# Altium PCB IceZUM_Core_HX1K.PcbDoc (part 1 of 2) (continued)
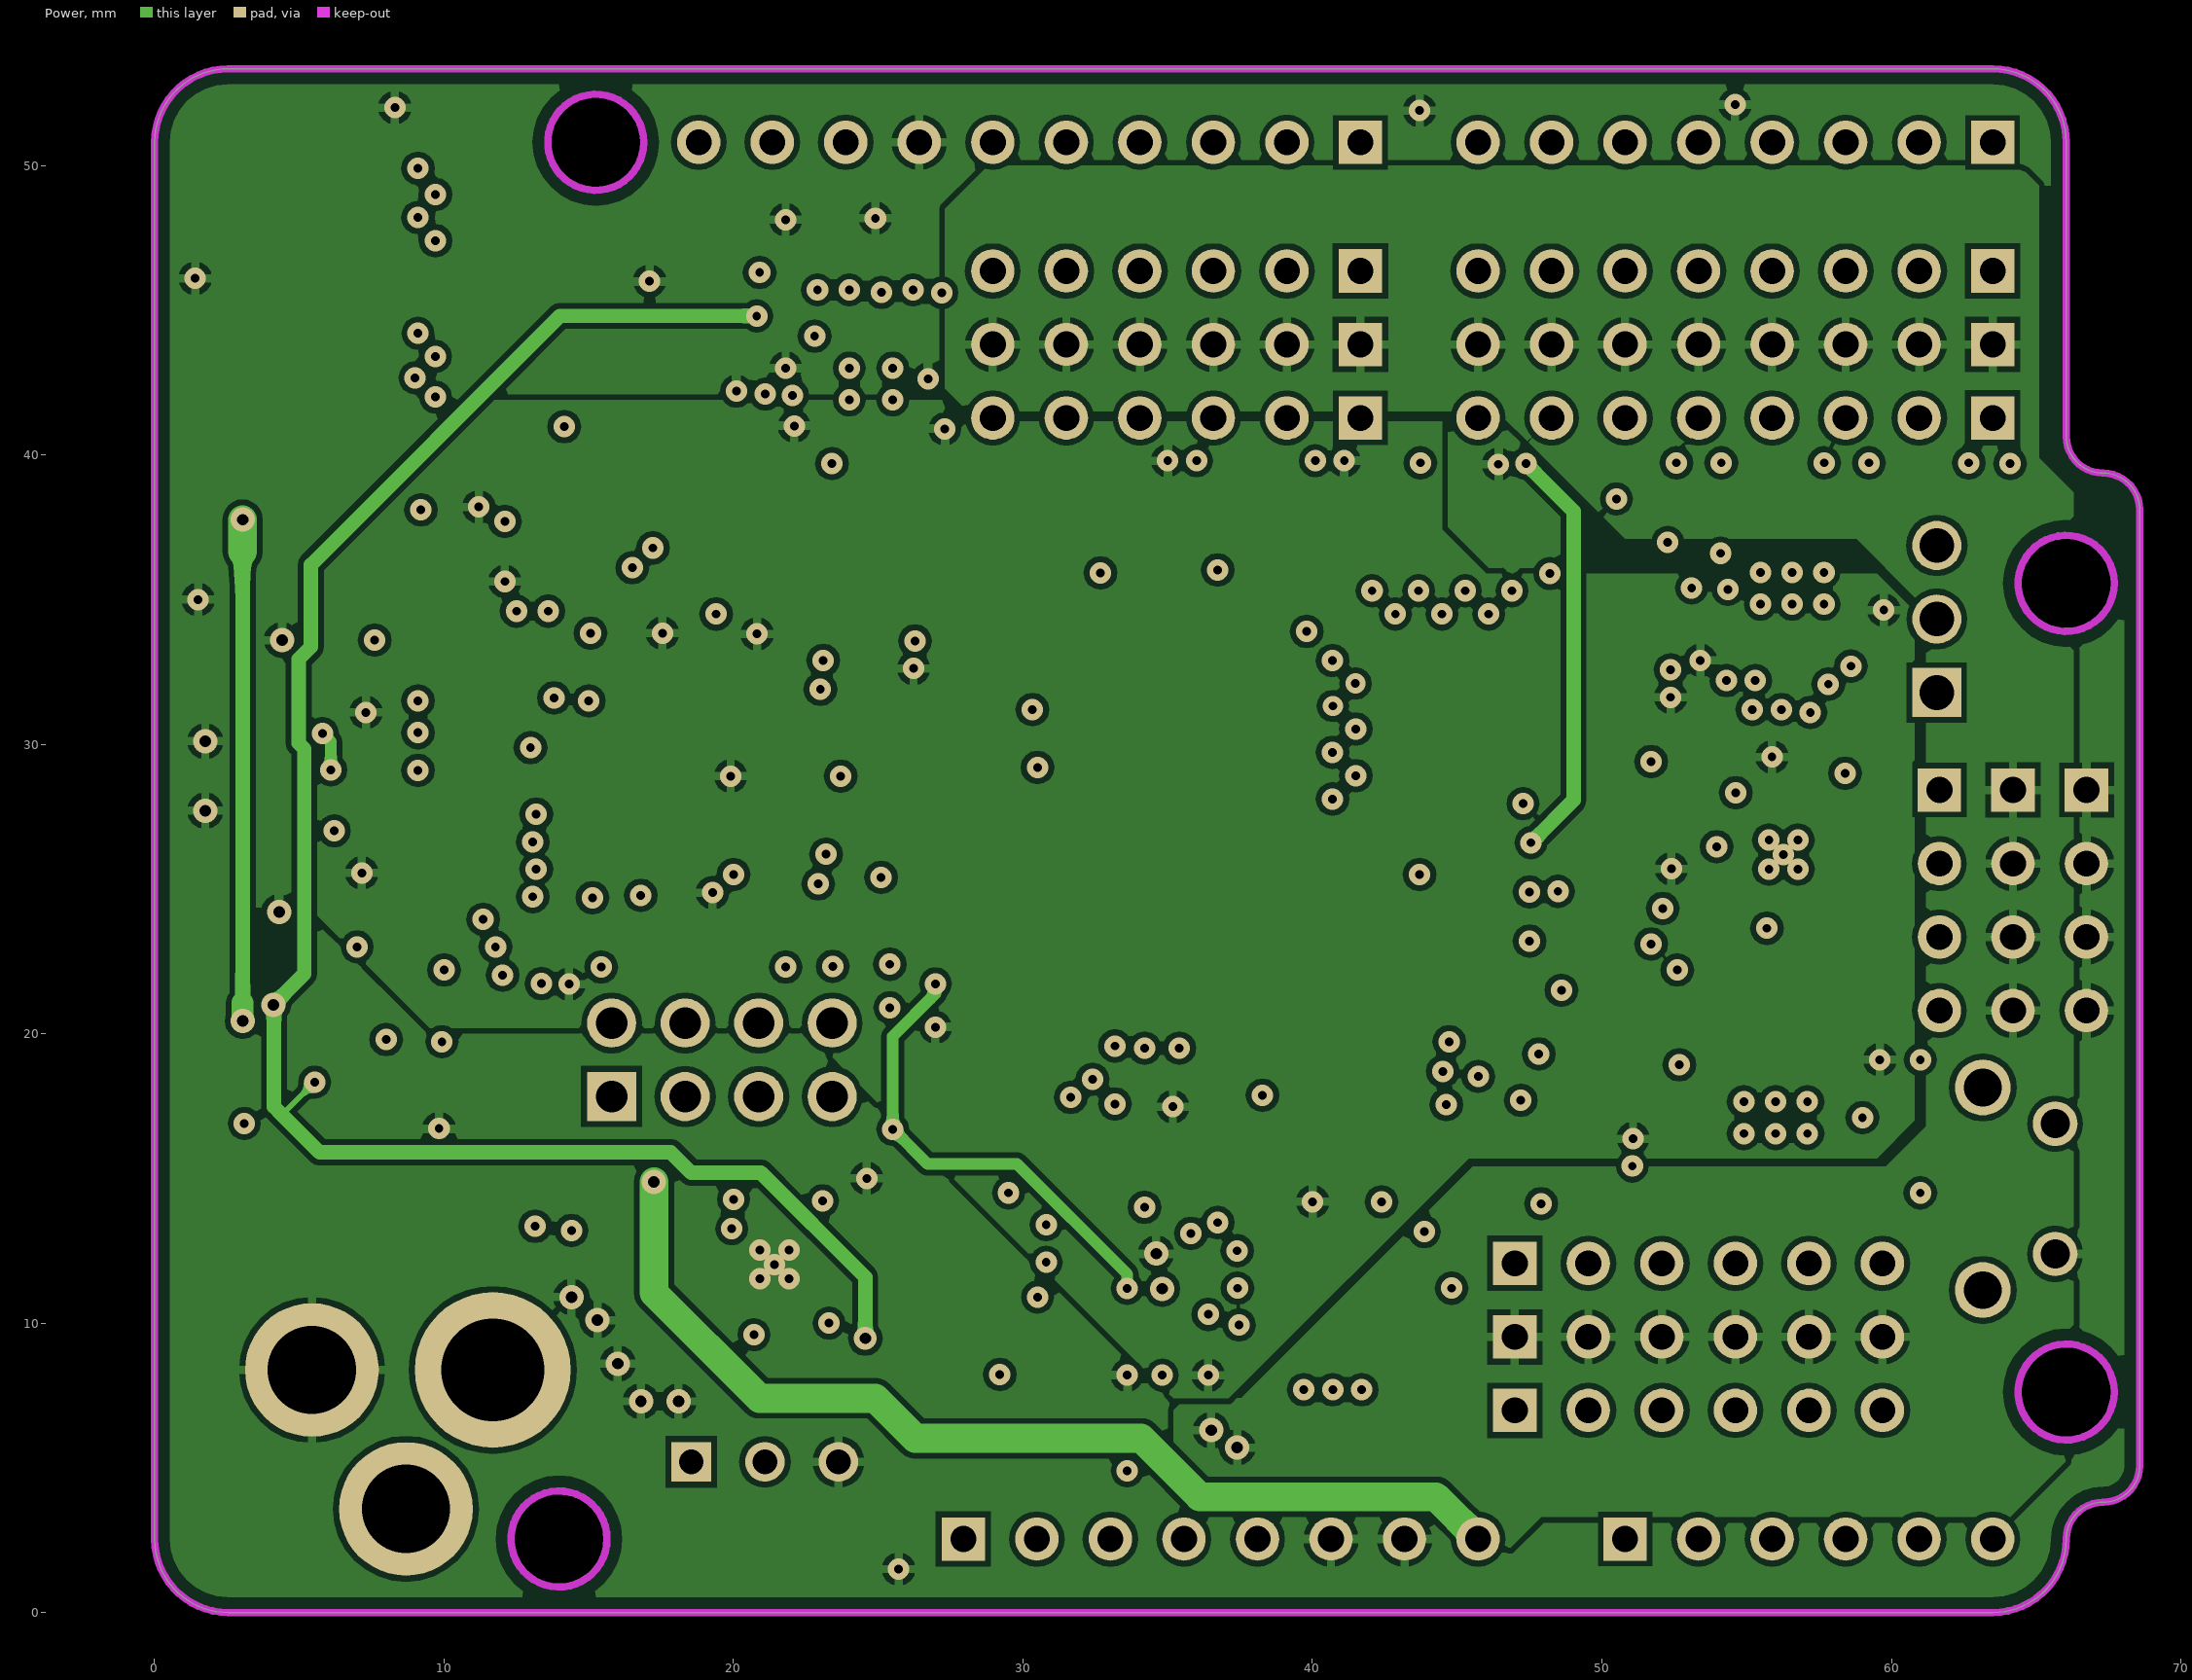
[diagram p3: Power]

## Layer stack, top to bottom
Top Solder: solder mask 0.0102, Solder Resist, Dk 3.5
Top Layer: signal copper 0.0356
Dielectric 1: prepreg 0.127, FR-4, Dk 4.2
GND: signal copper 0.036
Dielectric 3: core 1.14, Dk 4.2
Power: signal copper 0.036
Dielectric 2: prepreg 0.127, Dk 4.2
Bottom Layer: signal copper 0.0356
Bottom Solder: solder mask 0.0102, Solder Resist, Dk 3.5

## Board outline
0,2.54 ccw(c2.54,2.54) 2.54,0 63.5,0 ccw(c63.5,2.54) 66.04,2.54 cw(c67.31,2.54) 67.31,3.81 ccw(c67.31,5.08) 68.58,5.08 68.58,38.1 ccw(c67.31,38.1) 67.31,39.37 cw(c67.31,40.64) 66.04,40.64 66.04,50.8 ccw(c63.5,50.8) 63.5,53.34 2.54,53.34 ccw(c2.54,50.8) 0,50.8

## Design rules (kind name [scope] priority, off if disabled: settings)
Clearance Clearance_KO [OnLayer('Keep-Out Layer')] p1: gap=0.4
Clearance [All] p2: gap=0.2
DiffPairsRouting [All] p1: maxlimit=0.2 minlimit=0.2 mostfreqgap=0.2 toplayer_minwidth=0.2 toplayer_maxwidth=0.2 toplayer_prefwidth=0.2 midlayer1_minwidth=0.2 midlayer1_maxwidth=0.2 midlayer1_prefwidth=0.2 midlayer2_minwidth=0.2 midlayer2_maxwidth=0.2 midlayer2_prefwidth=0.2 bottomlayer_minwidth=0.2 bottomlayer_maxwidth=0.2 bottomlayer_prefwidth=0.2 maxuncoupledlength=12.7
HoleSize [All] p1: absolutevalues=TRUE maxlimit=3.6 minlimit=0.3 maxpercent=80.000 minpercent=20.000
HoleToHoleClearance [All] p1: gap=0.25 allowstackedmicrovias=TRUE
MinimumSolderMaskSliver [All] p1: minsoldermaskwidth=0.07
NetAntennae [All] p1: netantennaetolerance=20
PolygonConnect PolygonConnect_NoTh [InPolygonClass('pcNoThermals')] p1: connectstyle=Direct reliefconductorwidth=0.254 reliefentries=4 polygonreliefangle="90 Angle" airgapwidth=0.254
PolygonConnect [All] p2: connectstyle=Relief reliefconductorwidth=0.3 reliefentries=4 polygonreliefangle="90 Angle" airgapwidth=0.2
RoutingVias [All] p1: holewidth=0.3 width=0.64 viastyle="Through Hole" minholewidth=0.3 minwidth=0.64 maxholewidth=0.8 maxwidth=1.2
SilkToBoardRegionClearance [All] p1 off:
SilkToSilkClearance [All] p1 off: silktosilkclearance=0
SilkToSolderMaskClearance [IsPad] p1 off: minsilkscreentomaskgap=0 clearancetoexposedcopper=TRUE
SolderMaskExpansion [All] p1: expansion=0.05
Width [All] p1: maxlimit=4 minlimit=0.2 preferedwidth=0.2
22 further rules are at their usual default settings.

## Classes and differential pairs
polygon class pcNoThermals: 5VP ADC_NoTh DCDC DCDC_NoTh VIN_1 VIN_2 VIN_3 VIN_4
differential pair USB: +USB_P -USB_N

## Components (designator, comment, footprint, x,y, rotation, side; value= is the part's Value field where it differs from the comment)
C1 "Capacitor" C0402 40.57,39 r0 top
C2 "Capacitor" C0402 35.52,39.1 r180 top
C3 "Capacitor" C0402 35.262,13.798 r90 top
C4 "Capacitor" C0402 41.159,14.187 r180 top
C5 "Capacitor" C0402 26.5,20.9 r0 top
C6 "Capacitor" C0402 26.938,33.094 r270 top
C7 "Capacitor" C0402 51.7,25.2 r90 top
C8 "Capacitor" C0402 51.7,32.1 r270 top
C9 "Capacitor" C0402 36.4,9.2 r90 top
C10 "Capacitor" C0402 50.375,15.9 r90 top
C11 "Capacitor" C0603 26,18.3 r270 top
C12 "Capacitor" C0402 27.1,18.1 r270 top
C13 "Capacitor" C0402 37.2,14.2 r0 top
C14 "Capacitor" C0402 26.5,22.4 r0 top
C15 "Capacitor" C0402 46.9,39 r0 top
C16 "Capacitor" C0402 51.7,28.2 r270 top
C17 "Capacitor" C0603 7.737,27.009 r0 top
C18 "Capacitor" C0402 10.3,27.3 r180 top
C19 "Capacitor" C0402 10.3,26.4 r0 top
C20 "Capacitor" C0402 22.3,25.8 r90 top
C21 "Capacitor" C0402 12.701,33.958 r0 top
C22 "Capacitor" C0603 3.549,34.881 r180 top
C23 "Capacitor" C0402 5.701,34.881 r0 top
C24 "Capacitor" C0603 10.087,32.418 r0 top
C25 "Capacitor" C0402 10.3,31.3 r0 top
C26 "Capacitor" C0402 16.341,33.842 r0 top
C27 "Capacitor" C0402 22.7,28.9 r180 top
C28 "Capacitor" C0402 20.659,22.4 r180 top
C29 "Capacitor" C0402 13.841,22.424 r0 top
C30 "Capacitor" C0402 19.6,33.814 r0 top
C31 "Capacitor" C0603 22.244,32.046 r90 top
C32 "Capacitor" C0402 10.2,38.034 r0 top
C33 "Capacitor" C0402 12.6,36.6 r270 top
C34 "Capacitor" C0402 20.1,43.5 r90 top
C35 "Capacitor" C0402 20.1,40.8 r270 top
C36 "Capacitor" C0402 21.1,40.8 r90 top
C37 "Capacitor" C0402 21.1,43.5 r90 top
C38 "Capacitor" C0402 24.8,47 r270 top
C39 "Capacitor" C0402 22.8,47 r270 top
C40 "Capacitor" C0402 26.8,47 r270 top
C41 "Capacitor" C0603 59.5,30.1 r90 top
C42 "Capacitor" C0402 25.8,47 r270 top
C43 "Capacitor" C0402 23.8,47 r270 top
C44 "Capacitor" C0402 21.8,47 r270 top
C45 "Capacitor" C0402 55.1,29 r0 top
C46 "Capacitor" C0402 57,29 r0 top
C47 "Capacitor" C0402 59.6,17.9 r90 top
C48 "Capacitor" C0402 59.6,16 r90 top
C49 "Capacitor" C0402 53.1,34.3 r270 top
C50 "Capacitor" C0402 53.1,36.5 r270 top
C51 "Capacitor" C0402 59.7,39 r0 top
C52 "Capacitor" C0402 54.6,39 r0 top
C53 "Capacitor" C0402 49.5,39 r180 top
C54 "Capacitor" C0402 64.8,39 r0 top
C55 "Capacitor" C0402 62.2,39 r180 top
C56 "Capacitor" C0402 57.2,39 r180 top
C57 "Capacitor" C0402 52.1,39 r180 top
C58 "Capacitor" C0402 44.2,39 r0 top
C59 "Capacitor" C0603 33.488,13.328 r270 top
C60 "Capacitor" C0603 6.15,17.4 r180 top
C62 "Capacitor" C0603 12.5,19.25 r270 top
C64 "Capacitor" C0603 33.612,9.572 r90 top
C65 "Capacitor" C0603 34.812,9.572 r90 top
C66 "Capacitor" C0603 15.3,11.6 r90 top
C67 "Capacitor" C1206 17.396,10.164 r90 top
C68 "Capacitor" C0402 22.788,9.27 r0 top
C69 "Capacitor" C1206 21.664,7.628 r0 top
C70 "Capacitor" C0603 20.3,15.3 r180 top
C71 "Capacitor" C0603 23.1,15 r180 top
D1 "MMDL101T1G" SOD323 51.812,34.772 r90 top
D2 "Yellow" LED0603 2.9,40.8 r270 top
D3 "Yellow" LED0603 2.9,42.3 r270 top
D4 "Yellow" LED0603 2.9,43.8 r270 top
D5 "Yellow" LED0603 2.923,45.3 r270 top
D6 "Yellow" LED0603 2.9,46.8 r270 top
D7 "Yellow" LED0603 2.9,48.3 r270 top
D8 "Yellow" LED0603 2.9,49.8 r270 top
D9 "Yellow" LED0603 2.9,51.3 r270 top
D10 "SMAJ17CA" DO-214AC-SMA 4.298,14.906 r180 top
D11 "BAT54C-G3-08" SOT23-3 10,22.2 r180 top
D12 "White" LED0603 26.434,6.736 r270 top
D13 "BZX384C5V1-E3" SOD323 6.828,23.512 r180 top
F1 "PTC_Fuse" F1812 3.753,37.761 r180 top
F2 "ESDUSB" SOT563 7.574,29.113 r180 top
FD1 "Fiducial" Fiducial 11.304,51.146 r0 top
FD2 "Fiducial" Fiducial 66.062,31.746 r0 top
FD3 "Fiducial" Fiducial 2.54,2.159 r0 top locked
J1 "USB_Micro_Type_B" USB_Micro_B 3.1,28.919 r270 top
J2 "1x6 pin Header 2.54mm" "1x6 Pin Header 2.54" 41.656,43.815 r180 top locked
J3 "1x6 pin Header 2.54mm" "1x6 Pin Header 2.54" 41.656,46.355 r180 top locked
J4 "1x10 Socket Header 2.54mm" "1x10 Socket Header THT 2.54mm" 41.656,50.8 r180 top locked
J5 "1x8 Socket Header 2.54mm" "1x8 Socket Header THT 2.54mm" 27.94,2.54 r0 top locked
J6 "1x6 pin Header 2.54mm" "1x6 Pin Header 2.54" 41.656,41.275 r180 top locked
J7 "1x8 pin Header 2.54mm" "1x8 Pin Header 2.54" 63.5,43.815 r180 top locked
J8 "1x8 pin Header 2.54mm" "1x8 Pin Header 2.54" 63.5,46.355 r180 top locked
J9 "1x8 pin Header 2.54mm" "1x8 Pin Header 2.54" 63.5,41.275 r180 top locked
J10 "1x8 Socket Header 2.54mm" "1x8 Socket Header THT 2.54mm" 63.5,50.8 r180 top locked
J11 "1x6 Socket Header 2.54mm" "1x6 Socket Header THT 2.54mm" 50.8,2.54 r0 top locked
J12 "1x6 pin Header 2.54mm" "1x6 Pin Header 2.54" 46.99,12.065 r0 top locked
J13 "1x6 pin Header 2.54mm" "1x6 Pin Header 2.54" 46.99,9.525 r0 top locked
J14 "1x6 pin Header 2.54mm" "1x6 Pin Header 2.54" 46.99,6.985 r0 top locked
J15 "1x4 pin Header 2.54mm" "1x4 Pin Header 2.54" 64.2,28.42 r270 top
J16 "1x4 pin Header 2.54mm" "1x4 Pin Header 2.54" 66.74,28.42 r270 top
J17 "1x4 pin Header 2.54mm" "1x4 Pin Header 2.54" 61.66,28.42 r270 top
J18 "Power_Jack" "Jack 2.1" 11.684,8.382 r270 top locked
J19 "2x4 pin Header 2.54mm" "2x4 Pin Header 2.54" 15.788,17.828 r0 top
JP1 "Jumper_3pin" "1x3 Header 2.54" 61.57,31.788 r90 top
L1 "10uH 0,1A" L0805 7.197,25.555 r0 top
L2 "BLM18SG121TN1D" L0603 5.991,32.699 r90 top
L3 "MPZ1608S221A" L0603 7.982,31.772 r90 top
L4 "BLM18SG121TN1D" L0603 17.4,13.6 r0 top
L5 "2,2uH 4,7A" L4040 26.272,11.628 r270 top
Q1 "DMP3017" U-DFN2523-6 9.828,14.896 r90 top
Q2 "DMP3017" U-DFN2523-6 14.172,14.932 r270 top
Q3 "DMP2035U-7" SOT23-3 2.8,22.1 r90 top
Q4 "DMP3017" U-DFN2523-6 34.4,6.6 r270 top
Q5 "PMBT3906" SOT23-3 2.8,18.5 r90 top
R1 "Resistor" R0402 44.2,14.2 r0 top
R2 "Resistor" R0402 16.7,22.4 r0 top
R3 "Resistor" R0402 18.6,22.4 r180 top
R4 "Resistor" R0402 52.2,19.8 r180 top
R5 "Resistor" R0402 40.7,6.6 r270 top
R6 "Resistor" R0402 42.7,6.6 r270 top
R7 "Resistor" R0402 39.7,6.6 r270 top
R8 "Resistor" R0402 41.7,6.6 r270 top
R9 "Resistor" R0402 26.5,16.4 r180 top
R10 "Resistor" R0402 10.3,25 r180 top
R11 "Resistor" R0402 10.3,30.3 r180 top
R12 "Resistor" R0402 22.3,37.2 r90 top
R13 "Resistor" R0402 21.3,37.2 r90 top
R14 "Resistor" R0402 23.3,37.2 r270 top
R15 "Resistor" R0402 20.3,37.2 r90 top
R16 "Resistor" R0402 26.5,25.4 r0 top
R17 "Resistor_x4_Parts" 4xArray_1206 6.956,43.086 r90 top
R18 "Resistor_x4_Parts" 4xArray_1206 6.956,48.662 r90 top
R19 "Resistor" R0402 59.5,32.3 r270 top
R20 "Resistor" R0402 53.4,27.8 r90 top
R21 "Resistor" R0402 53.4,24.8 r270 top
R22 "Resistor" R0402 61.7,8.9 r270 top
R23 "Resistor" R0402 61.7,6.8 r90 top
R24 "Resistor" R0402 8.4,17.4 r180 top
R25 "Resistor" R0402 10.3,17.4 r180 top
R26 "Resistor" R0402 12.2,17.4 r180 top
R27 "Resistor" R0402 10.4,19 r0 top
R28 "Resistor" R0402 7.7,21.7 r90 top
R29 "Resistor" R0402 6,22.2 r180 top
R30 "Resistor" R0402 30.2,6.7 r180 top
R31 "Resistor" R0402 29.8,9.4 r270 top
R32 "Resistor" R0402 30.2,7.7 r180 top
R33 "Resistor" R0402 60.8,16 r270 top
R34 "Resistor" R0402 27.3,5.1 r270 top
R35 "Resistor" R0402 60.8,17.9 r90 top
R36 "Resistor" R0402 6,19 r0 top
R37 "Resistor" R0402 8.5,19 r0 top
R38 "Resistor" R0402 6,20.2 r0 top
R39 "Resistor" R0402 6,21.2 r180 top
SW1 "Switch" SW_SMD_6.0x3.8 11.7,44.2 r270 top
SW2 "Switch" SW_SMD_6.0x3.8 17.1,44.2 r270 top
SW3 "SPDT Switch" "Slide SW SPDT Right Angle" 18.542,5.207 r0 top locked
SW4 "Switch" SW_Vert_THT_7.5x6x6.5 65.659,16.891 r270 top locked
TP1 "Testpoint" TP_SMD_1mm 28.072,14.688 r90 top
TP2 "Testpoint" TP_SMD_1mm 24.647,36.988 r90 top
TP3 "Testpoint" TP_SMD_1mm 26.872,23.888 r90 top
TP4 "Testpoint" TP_SMD_1mm 36.072,11.388 r90 top
TP5 "Testpoint" TP_SMD_1mm 38.472,5.988 r90 top
TP6 "Testpoint" TP_SMD_1mm 48.297,2.138 r90 top
TP7 "Testpoint" TP_SMD_1mm 7.572,40.188 r90 top
U1 "iCE40HX1K-TQ144" TQFP-144_IPC-MD 39.427,26.67 r0 top locked
U2 "N25Q032A" "DFN-8 6x5mm" 41.112,10.572 r90 top
U3 "FT2232H" FTDI_QFN-64 16.546,28.135 r0 top
U4 "DSC1001" "OSC 3.2x2.5" 9.738,35.498 r270 top
U5 "93LC56C" MSOP8 16.432,36.46 r180 top
U6 "TXB0106" QFN16#1 24.772,42.488 r0 top
U7 "ADS7924" QFN16#2 56.272,26.188 r0 top
U8 "TXS0108" "VQFN20 4.5x3.5mm" 56,17.1 r180 top
U9 "TXB0108" "VQFN20 4.5x3.5mm" 56.572,35.388 r0 top
U10 "AP7361" U-DFN3030-8 30.812,12.772 r90 top
U11 "TLV711" WSON-6-1,5x1,5mm 31.772,9.388 r0 top
U12 "TPS62133RGTR" QFN16#3 21.414,12.028 r180 top

## Footprints (in the part's own frame and the unit in brackets; to place one, negate y for a bottom-side part, rotate by r counter-clockwise, add the part's x,y. Pads: shape width x height; smd on the part's side, far side on the other; paste and mask are expansions set on the pad)
"1x3 Header 2.54" [mm] "3 pin Header pitch 2.54mm"
  rect 1.7x1.7 hole 1.2: 1(0,0)
  round 1.7 hole 1.2: 2(2.54,0) 3(5.08,0)
  silkscreen extent -1.14,-1.18 6.22,1.18, body extent -1.25,-1.27 6.37,1.27, height 5.94
"1x4 Pin Header 2.54" [mm] "4 pin Header pitch 2.54mm"
  rect 1.5x1.5 hole 0.9: 1(0,0)
  round 1.5 hole 0.9: 2(2.54,0) 3(5.08,0) 4(7.62,0)
  silkscreen extent -1.27,-1.27 8.89,1.27, body extent -1.26,-1.25 8.9,1.29, height 8.43
"1x6 Pin Header 2.54" [mm] "6 pin Header pitch 2.54mm"
  rect 1.5x1.5 hole 0.9: 1(0,0)
  round 1.5 hole 0.9: 2(2.54,0) 3(5.08,0) 4(7.62,0) 5(10.16,0) 6(12.7,0)
  silkscreen extent -1.27,-1.27 13.97,1.27, body extent -1.26,-1.25 13.98,1.29, height 8.43
"1x6 Socket Header THT 2.54mm" [mm] "6 Socket Header pitch 2.54mm"
  rect 1.5x1.5 hole 0.9: 1(0,0)
  round 1.5 hole 0.9: 2(2.54,0) 3(5.08,0) 4(7.62,0) 5(10.16,0) 6(12.7,0)
  silkscreen extent -1.27,-1.27 13.97,1.27, body extent -1.39,-1.25 14.1,1.25, height 8.5
"1x8 Pin Header 2.54" [mm] "8 pin Header pitch 2.54mm"
  rect 1.5x1.5 hole 0.9: 1(0,0)
  round 1.5 hole 0.9: 2(2.54,0) 3(5.08,0) 4(7.62,0) 5(10.16,0) 6(12.7,0) 7(15.24,0) 8(17.78,0)
  silkscreen extent -1.27,-1.27 19.05,1.27, body extent -1.26,-1.25 19.06,1.29, height 8.43
"1x8 Socket Header THT 2.54mm" [mm] "8 Socket Header pitch 2.54mm"
  rect 1.5x1.5 hole 0.9: 1(0,0)
  round 1.5 hole 0.9: 2(2.54,0) 3(5.08,0) 4(7.62,0) 5(10.16,0) 6(12.7,0) 7(15.24,0) 8(17.78,0)
  silkscreen extent -1.27,-1.27 19.05,1.27, body extent -1.4,-1.23 19.17,1.27, height 8.5
"1x10 Socket Header THT 2.54mm" [mm] "10 Socket Header pitch 2.54mm"
  rect 1.5x1.5 hole 0.9: 1(0,0)
  round 1.5 hole 0.9: 2(2.54,0) 3(5.08,0) 4(7.62,0) 5(10.16,0) 6(12.7,0) 7(15.24,0) 8(17.78,0) 9(20.32,0) 10(22.86,0)
  silkscreen extent -1.27,-1.27 24.13,1.27, body extent -1.4,-1.27 24.26,1.23, height 8.5
"2x4 Pin Header 2.54" [mm] "8 dual pin Header pitch 2.54mm"
  rect 1.7x1.7 hole 1.1: 1(0,0)
  round 1.7 hole 1.1: 2(0,2.54) 3(2.54,0) 4(2.54,2.54) 5(5.08,0) 6(5.08,2.54) 7(7.62,0) 8(7.62,2.54)
  silkscreen extent -1.27,-1.28 8.89,3.81, body extent -1.34,-1.28 8.82,3.8, height 8.54
4xArray_1206 [mm]
  rect 0.5x0.8 smd: 1(-1.2,-0.8) 2(-0.4,-0.8) 3(0.4,-0.8) 4(1.2,-0.8) 5(1.2,0.8) 6(0.4,0.8) 7(-0.4,0.8) 8(-1.2,0.8)
  silkscreen extent -1.75,-0.87 1.7,0.88, body extent -1.6,-0.8 1.6,0.8, height 0.57
C0402 [mm] "Chip Capacitor, Body 1.0x0.5mm, IPC High Density"
  rect 0.45x0.5 smd: 1(-0.475,0) 2(0.475,0)
  silkscreen extent -0.05,-0.25 0.05,0.25, body extent -0.51,-0.25 0.49,0.25, height 0.5
C0603 [mm] "Chip Capacitor, Body 1.6x0.8mm, IPC High Density"
  rect 0.65x0.8 smd: 1(-0.675,0) 2(0.675,0)
  silkscreen extent -0.2,-0.4 0.2,0.4, body extent -0.81,-0.4 0.79,0.4, height 0.6
C1206 [mm] "Chip Capacitor, Body 3.2x1.6mm, IPC High Density"
  rect 1.2x1.6 smd: 1(-1.6,0) 2(1.6,0)
  silkscreen extent -0.8,-0.8 0.8,0.79, body extent -1.59,-0.8 1.61,0.8, height 1
"DFN-8 6x5mm" [mm] "V-PDFN-8 (MLP8), 6x5mm, 8 pin, 1.27mm Pitch"
  rect 4.3x3.6 smd paste-5: 0(0,0)
  rrect30% 0.45x1.05 smd: 1(-1.905,-2.75) 2(-0.635,-2.75) 3(0.635,-2.75) 4(1.905,-2.75) 5(1.905,2.75) 6(0.635,2.75) 7(-0.635,2.75) 8(-1.905,2.75)
  silkscreen extent -2.7,-3.7 2.7,3.2, body extent -2.5,-3.05 2.5,3.05, height 0.95
DO-214AC-SMA [mm] "SMA Diode, DO-214AC"
  rect 2.2x2.2 smd: A(2,0) K(-2,0)
  silkscreen extent -3.6,-1.1 0.6,1.2, body extent -2.75,-1.4 2.75,1.4, height 2.6
F1812 [mm] "PTC Resettable Fuse 1812 package  4.55mm x 3.24mm"
  rect 1.5x3.2 smd: 1(-2.1,0) 2(2.1,0)
  silkscreen extent -2.87,-1.75 2.9,1.75, body extent -2.36,-1.7 2.37,1.71, height 1.34
Fiducial [mm] "Marcas Fiduciales para montador"
  round 1.5 smd paste+0 mask+0.75: ""(0,0)
  Top Layer keep-out circle w0.05: c0,0 r1.53
FTDI_QFN-64 [mm] "QFN,64-Leads, Body 9x9mm, Pitch 0.5mm, Thermal Pad 4.3x4.3mm, NO thermal vias"
  oval 0.8x0.28 smd: 1(-4.4,3.75) 2(-4.4,3.25) 3(-4.4,2.75) 4(-4.4,2.25) 5(-4.4,1.75) 6(-4.4,1.25) 7(-4.4,0.75) 8(-4.4,0.25) 9(-4.4,-0.25) 10(-4.4,-0.75) 11(-4.4,-1.25) 12(-4.4,-1.75) 13(-4.4,-2.25) 14(-4.4,-2.75) 15(-4.4,-3.25) 16(-4.4,-3.75) 33(4.4,-3.75) 34(4.4,-3.25) 35(4.4,-2.75) 36(4.4,-2.25) 37(4.4,-1.75) 38(4.4,-1.25) 39(4.4,-0.75) 40(4.4,-0.25) 41(4.4,0.25) 42(4.4,0.75) 43(4.4,1.25) 44(4.4,1.75) 45(4.4,2.25) 46(4.4,2.75) 47(4.4,3.25) 48(4.4,3.75)
  oval 0.28x0.8 smd: 17(-3.75,-4.4) 18(-3.25,-4.4) 19(-2.75,-4.4) 20(-2.25,-4.4) 21(-1.75,-4.4) 22(-1.25,-4.4) 23(-0.75,-4.4) 24(-0.25,-4.4) 25(0.25,-4.4) 26(0.75,-4.4) 27(1.25,-4.4) 28(1.75,-4.4) 29(2.25,-4.4) 30(2.75,-4.4) 31(3.25,-4.4) 32(3.75,-4.4) 49(3.75,4.4) 50(3.25,4.4) 51(2.75,4.4) 52(2.25,4.4) 53(1.75,4.4) 54(1.25,4.4) 55(0.75,4.4) 56(0.25,4.4) 57(-0.25,4.4) 58(-0.75,4.4) 59(-1.25,4.4) 60(-1.75,4.4) 61(-2.25,4.4) 62(-2.75,4.4) 63(-3.25,4.4) 64(-3.75,4.4)
  rect 4.5x4.5 smd paste-5: 65(0,0)
  silkscreen extent -4.73,-4.73 4.73,4.73, body extent -4.52,-4.54 4.52,4.5, height 0.94
"Jack 2.1" [mm] "DC Power Jack 2,1mm"
  round 5.38 hole 3.56: 1(0,0)
  round 4.62 hole 3.05: 2(4.8,-3) 3(0,-6.25)
  silkscreen extent -4.46,-13.91 5.01,0.73, body extent -4.44,-13.86 5.08,0.74, height 10.92
L0603 [mm] "Chip Inductor, Body 1.6x0.8mm, IPC High Density"
  rect 0.8x0.9 smd: 1(-0.7,0) 2(0.7,0)
  silkscreen extent -0.21,-0.5 0.21,0.5, body extent -0.81,-0.4 0.79,0.4, height 0.6
L0805 [mm] "Chip Inductor Body 2.0x1.25mm, IPC High Density"
  rect 1.1x1.25 smd: 1(-1.05,0) 2(1.05,0)
  silkscreen extent -0.35,-0.62 0.35,0.62, body extent -0.98,-0.62 1.02,0.63, height 0.78
L4040 [mm] "Power Inductor 4 x 4 mm"
  rect 0.98x3.7 smd: 1(-1.185,0) 2(1.185,0)
  silkscreen extent -2.1,-2.1 2.1,2.1, body extent -2.15,-2.15 2.15,2.15, height 3.1
LED0603 [mm] "0603 1.6x0.8mm"
  rect 0.8x0.8 smd: A(0,0.8) K(0,-0.8)
  silkscreen extent -0.64,-1.69 0.64,0.89, body extent -0.37,-0.81 0.36,0.84, height 0.68
MSOP8 [mm] "Mini SOP, 8-lead, 0.65mm pitch, 3.0x3.0mm"
  oval 1.8x0.45 smd mask+0.05: 1(-2.075,0.975) 2(-2.075,0.325) 3(-2.075,-0.325) 4(-2.075,-0.975) 5(2.075,-0.975) 6(2.075,-0.325) 7(2.075,0.325) 8(2.075,0.975)
  silkscreen extent -2.41,-1.6 1.68,1.8, body extent -2.57,-1.6 2.58,1.6, height 1.01
"OSC 3.2x2.5" [mm] "Oscillator 3.2x2.5mm, 4 leads."
  rect 1.2x1 smd: 1(-1.05,-0.95) 2(1.05,-0.95) 3(1.05,0.95) 4(-1.05,0.95)
  silkscreen extent -2.57,-1.68 1.91,1.68, body extent -1.6,-1.28 1.6,1.22, height 0.91
QFN16#1 [mm] "QFN, 16-Leads, Body 4,00x3,50mm, Pitch 0,50mm/1,50mm, Thermal Pad 2,05x2,55mm, IPC Medium Density"
  oval 0.7x0.3 smd mask+0.05: 1(-1.95,-0.75) 8(1.95,-0.75) 9(1.95,0.75) 16(-1.95,0.75)
  oval 0.3x0.7 smd mask+0.05: 2(-1.25,-1.825) 3(-0.75,-1.825) 4(-0.25,-1.825) 5(0.25,-1.825) 6(0.75,-1.825) 7(1.25,-1.825) 10(1.25,1.825) 11(0.75,1.825) 12(0.25,1.825) 13(-0.25,1.825) 14(-0.75,1.825) 15(-1.25,1.825)
  rect 2.55x2.05 smd: 17(0,0)
  silkscreen extent -3,-1.97 2.22,1.97, body extent -2.08,-1.83 2.07,1.83, height 1
QFN16#2 [mm] "QFN 16-Lead, 3x3mm body, IPC Medium Density"
  rect 1.7x1.7 smd paste-1: 0(0,0)
  rrect70% 0.85x0.28 smd mask+0.07: 1(-1.475,0.75) 2(-1.475,0.25) 3(-1.475,-0.25) 4(-1.475,-0.75) 9(1.475,-0.75) 10(1.475,-0.25) 11(1.475,0.25) 12(1.475,0.75)
  rrect70% 0.28x0.85 smd mask+0.07: 5(-0.75,-1.475) 6(-0.25,-1.475) 7(0.25,-1.475) 8(0.75,-1.475) 13(0.75,1.475) 14(0.25,1.475) 15(-0.25,1.475) 16(-0.75,1.475)
  silkscreen extent -2.07,-1.65 1.65,1.65, body extent -1.5,-1.5 1.5,1.5, height 0.9